# Altium PCB Calipso V2.0 REV3.0.PcbDoc (part 3 of 5)
Units mm, origin at the board's own origin, x right, y up, seen from the top; angles counter-clockwise.
Board outline 192.5 x 156.5 mm, 2 copper layers (Top Layer, Bottom Layer); 431 components, 334 nets, 1532 pads, 1628 vias.
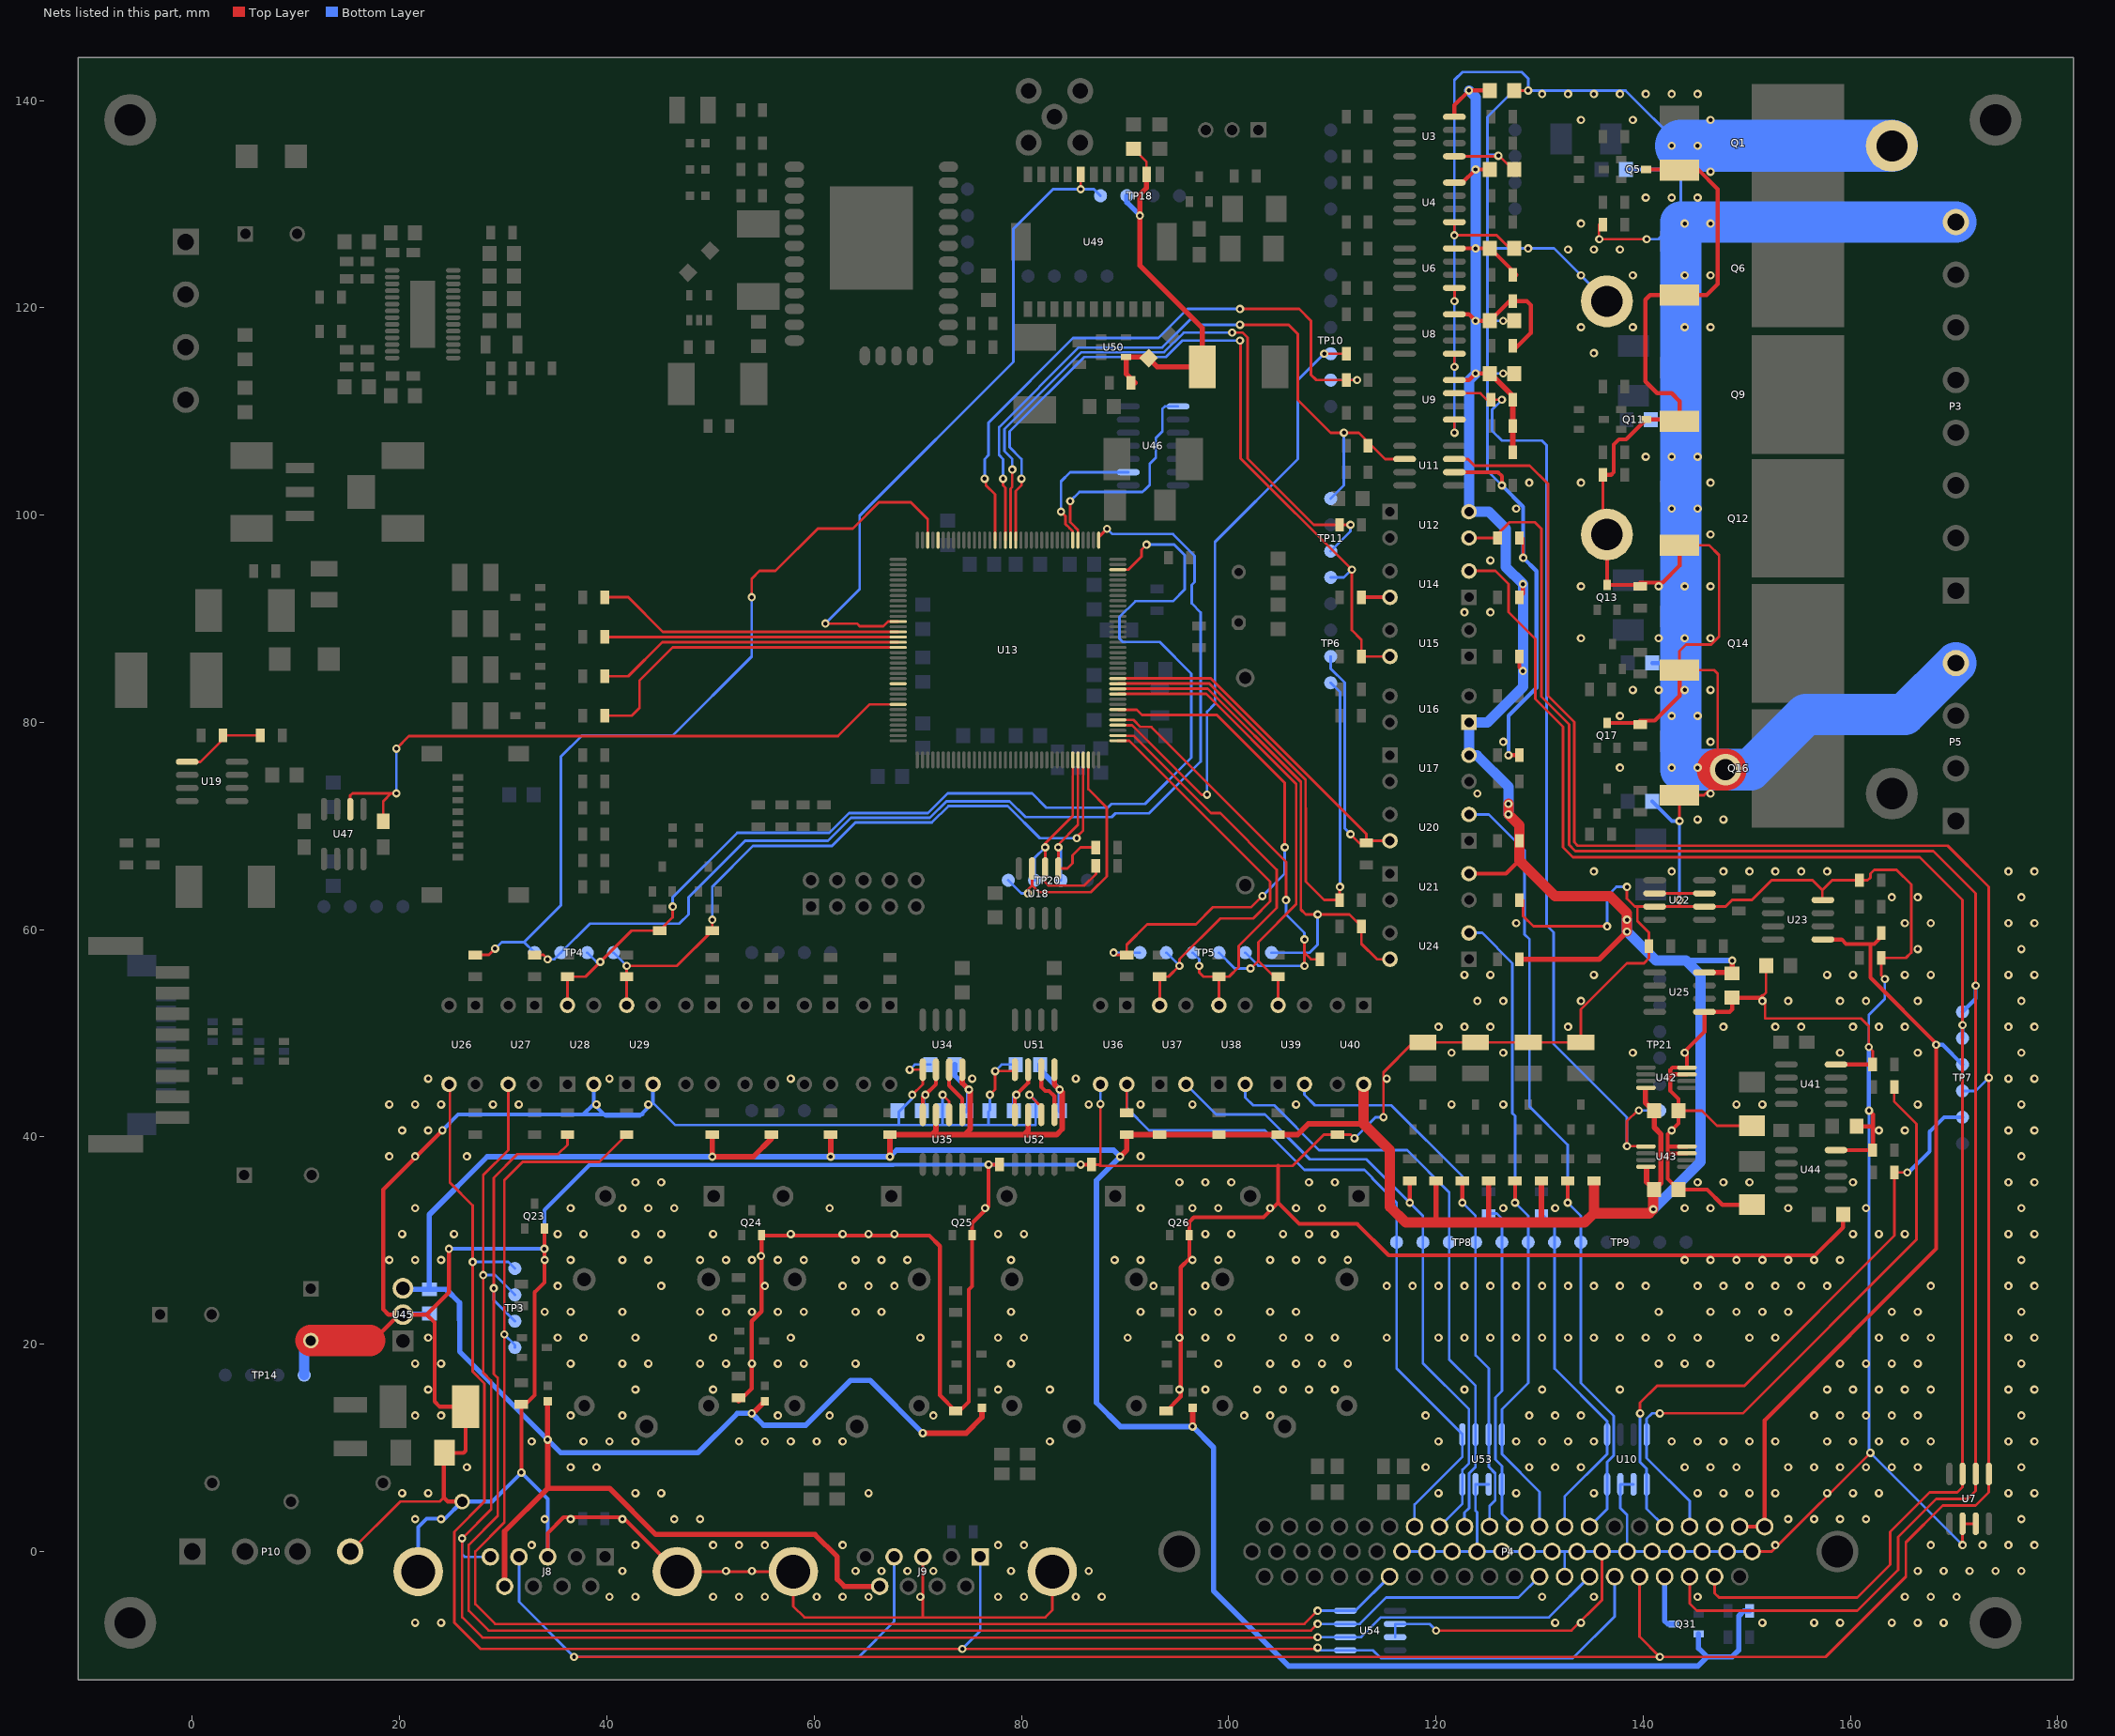
[diagram p3: the nets of this part, all layers, seen from the top]

## Via types
v1: diameter 0.8, hole 0.4, Top Layer to Bottom Layer, tented both sides, 1612 vias
v2: diameter 0.8, hole 0.4, Top Layer to Bottom Layer, 12 vias
v3: diameter 3, hole 2, Top Layer to Bottom Layer, 2 vias
v4: diameter 1.5, hole 1, Top Layer to Bottom Layer, 2 vias

## Nets (pads, with @x,y where several pads share a name; then routed paths per layer and width w, separated by ;. In a path a pad name is that pad's centre, name@x,y a point inside that pad or via, vN(x,y) a via of type N, cw(c..) or ccw(c..) an arc to the next point about the centre after c; other vN are vias at no path point) (continued)
DWIN_TX: J4.1 U13.101 U47.6 | length 63.4
  Top Layer w0.254: U47.6@15.24,71.615 15.24,72.952 15.44,73.152 19.177,73.152 ; J4.1@18.415,70.465 18.415,72.39 19.177,73.152 ; v1(19.685,73.152) 19.177,73.152 ; v1(19.685,77.47) 20.901,78.686 62.303,78.686 65.362,81.745 U13.101@68.14,81.745
  Bottom Layer w0.254: v1(19.685,73.152) v1(19.685,77.47)
EEPROM_NWC: TP20.1 U13.142 U18.7 | length 25.1
  Top Layer w0.254: v1(80.645,63.5) 80.645,63.881 81.026,64.262 ; U18.7@81.026,65.9 81.026,64.262 ; U13.142@86.459,76.383 86.459,73.552 88.234,71.777 88.234,65.139 86.722,63.627 81.661,63.627 81.026,64.262
  Bottom Layer w0.254: TP20.1@78.74,64.77 80.01,63.5 v1(80.645,63.5)
FAN_PWM1: U13.42 U46.9 | length 13
  Top Layer w0.254: v1(83.82,100.33) 84.255,99.895 84.255,99.126 84.646,98.735 84.657,98.735 84.959,98.433 U13.42@84.959,97.583
  Bottom Layer w0.254: v1(83.82,100.33) 83.82,103.251 84.709,104.14 U46.9@90.31,104.14
FAN_PWM2: U13.41 U46.1 | length 21.8
  Top Layer w0.254: v1(84.709,101.346) 84.709,99.314 84.834,99.189 84.845,99.189 85.459,98.575 U13.41@85.459,97.583
  Bottom Layer w0.254: v1(84.709,101.346) 85.598,102.235 91.694,102.235 91.875,102.416 91.882,102.416 92.383,102.917 92.383,104.942 92.975,105.533 92.975,107.431 93.599,108.056 93.599,110.236 93.853,110.49 U46.1@95.11,110.49
FEEDBACK: R55.1 R56.2 U19.5 | length 8.1
  Top Layer w0.254: U19.5@-0.895,76.2 0.79,76.2 3.33,78.74 R56.2@6.195,78.74
FLOW1: R79.1 R89.1 TP4.3 U13.34 U28.4 | length 113.1
  Top Layer w0.254: U28.4@36.195,52.705 R89.1@36.195,55.465 37.94,55.465 42.385,59.91 R79.1@45.085,59.91 46.355,61.18 v1(46.355,62.23) ; U13.34@89.309,94.733 90.32,94.733 91.586,95.999 91.586,96.666 v1(92.075,97.155)
  Bottom Layer w0.254: TP4.3@38.101,57.785 38.99,56.896 v1(39.371,56.896) ; v1(46.355,62.23) 46.355,63.119 52.578,69.342 61.468,69.342 63.37,71.244 70.983,71.244 72.891,73.152 81.026,73.152 82.404,71.774 88.343,71.774 88.705,72.136 91.934,72.136 96.393,76.595 96.393,84.709 93.345,87.757 89.789,87.757 89.471,88.075 89.471,90.17 90.995,91.694 94.615,91.694 95.758,92.837 95.758,96.139 94.742,97.155 v1(92.075,97.155)
FLOW2: R80.1 R90.1 TP4.4 U13.141 U29.4 | length 67.2
  Top Layer w0.254: U29.4@41.911,52.705 R90.1@41.911,55.465 ; R90.1@42.165,55.465 R90.1@41.911,55.465 ; v1(50.165,60.96) R80.1@50.165,59.91 46.77,56.515 v1(41.911,56.515) R90.1@41.911,55.465 ; v1(85.344,68.834) 85.344,68.961 85.959,69.576 U13.141@85.959,76.383
  Bottom Layer w0.254: TP4.4@40.641,57.785 v1(41.911,56.515) ; v1(50.165,60.96) 50.165,64.135 54.102,68.072 61.722,68.072 63.986,70.336 71.359,70.336 72.959,71.936 78.679,71.936 81.781,68.834 v1(85.344,68.834)
FLOW_SEN1: P4.54 R108.1 TP3.3 U54.3 | length 162.8
  Top Layer w0.254: R108.1@36.195,40.225 36.195,39.243 35.306,38.354 31.369,38.354 29.083,36.068 v1(29.083,25.4) 29.083,17.136 29.464,16.755 29.464,3.429 26.67,0.635 26.67,-5.701 28.589,-7.62 107.95,-7.62 v1(108.585,-6.985)
  Bottom Layer w0.254: v1(29.083,25.4) 29.083,24.257 TP3.3@31.115,22.225 ; v1(108.585,-6.985) U54.3@111.265,-6.985 112.649,-6.985 115.189,-4.445 127.971,-4.445 P4.54@130.003,-2.413
FLOW_SEN2: P4.48 R109.1 TP3.4 U54.4 | length 148.3
  Top Layer w0.254: R109.1@41.911,40.225 39.278,37.592 31.877,37.592 30.099,35.814 v1(30.099,20.955) 30.099,2.794 27.305,0 27.305,-5.08 29.21,-6.985 107.315,-6.985 v1(108.585,-5.715)
  Bottom Layer w0.254: v1(30.099,20.955) 31.115,19.939 TP3.4@31.115,19.685 ; v1(108.585,-5.715) U54.4@111.265,-5.715 112.223,-5.715 P4.48@115.525,-2.413
FOOTSW: J8.4 J9.4 P4.58 TP7.4 U7.1 U11.3 | length 352.9
  Top Layer w0.254: v1(36.83,-10.16) v1(141.605,-10.16) ; U11.3@121.78,105.41 123.09,105.41 123.725,104.775 129.06,104.775 130.81,103.025 130.81,82.586 133.361,80.035 133.361,68.453 ; 133.361,68.432 133.361,68.453 ; P4.58@139.655,-2.413 139.655,-8.21 v1(141.605,-10.16) ; 133.361,68.453 133.388,68.426 133.388,68.405 133.685,68.108 169.382,68.108 173.355,64.135 v1(173.355,45.72) U7.1@173.355,7.48 173.355,5.715 172.085,4.445 168.91,4.445 165.354,0.889 165.354,-2.413 157.607,-10.16 v1(141.605,-10.16)
  Bottom Layer w0.254: J8.4@31.52,-0.51 31.52,-4.85 v1(36.83,-10.16) 64.31,-10.16 67.715,-6.755 J9.4@67.715,-0.51 ; TP7.4@170.815,44.45 172.085,44.45 v1(173.355,45.72)
FOOTSW1: R32.2 TP11.1 U11.6 U13.55 | length 70.8
  Top Layer w0.254: v1(78.232,103.505) 78.232,102.874 78.459,102.647 U13.55@78.459,97.583 ; v1(101.092,118.364) 105.791,118.364 106.68,117.475 106.68,111.125 109.855,107.95 v1(111.125,107.95) 112.55,107.95 115.09,105.41 U11.6@116.98,105.41
  Bottom Layer w0.254: v1(78.232,103.505) 78.232,105.41 77.851,105.791 77.851,108.498 85.52,116.167 93.582,116.167 96.287,118.872 96.72,118.872 97.228,118.364 v1(101.092,118.364) ; TP11.1@109.855,101.6 111.125,102.87 v1(111.125,107.95)
FOOTSW2: U13.68
GOUT1: R95.1 U13.87 | length 29.4
  Top Layer w0.254: R95.1@40.16,92.075 42.065,92.075 45.395,88.745 U13.87@68.14,88.745
GOUT2: R96.1 U13.88 | length 28
  Top Layer w0.254: R96.1@40.16,88.265 40.18,88.245 U13.88@68.14,88.245
GOUT3: R114.1 U13.89 | length 29.3
  Top Layer w0.254: R114.1@40.16,84.455 42.065,84.455 45.355,87.745 U13.89@68.14,87.745
GOUT4: R115.1 U13.90 | length 32.3
  Top Layer w0.254: R115.1@40.16,80.645 42.418,80.645 43.142,81.369 43.142,84.032 46.355,87.245 U13.90@68.14,87.245
GPS3V3: C67.1 C68.2 GPS1.1 L10.1 TP18.2 U49.13 U50.4 | length 37.4
  Top Layer w0.254: C68.2@90.805,135.35 92.075,134.08 U49.13@92.075,132.865
  Top Layer w0.5: GPS1.1@90.96,112.776 90.1,113.636 U50.4@90.1,115.255 92.174,115.255 L10.1@92.284,115.144 93.129,114.3 C67.1@97.465,114.3 97.465,118.054 91.44,124.079 v1(91.44,128.905) 91.44,130.937 92.075,131.572 U49.13@92.075,132.865
  Bottom Layer w0.5: TP18.2@90.17,130.81 90.17,130.175 v1(91.44,128.905)
GPS_RST: TP18.1 U13.85 U49.18 | length 64.6
  Top Layer w0.254: v1(61.087,89.535) 64.135,89.535 64.389,89.281 66.687,89.281 67.139,89.733 U13.85@68.109,89.733 ; v1(85.725,131.445) U49.18@85.725,132.865
  Bottom Layer w0.254: v1(61.087,89.535) 61.087,89.549 64.389,92.851 64.389,99.949 79.232,114.792 79.232,127.619 83.058,131.445 v1(85.725,131.445) 86.995,131.445 TP18.1@87.63,130.81
I2C1_SCL: R139.2 TP20.2 U13.139 U18.6 | length 22.8
  Top Layer w0.254: U13.139@84.959,76.383 84.959,70.989 82.296,68.326 v1(82.296,67.945) U18.6@82.296,65.9 82.296,64.6 82.646,64.25 86.075,64.25 87.184,65.359 R139.2@87.184,66.155
  Bottom Layer w0.254: TP20.2@81.28,64.77 81.28,66.929 v1(82.296,67.945)
I2C1_SDA: R140.2 TP20.3 U13.140 U18.5 | length 19.5
  Top Layer w0.254: U13.140@85.459,76.383 85.459,70.104 83.566,68.211 v1(83.566,67.945) U18.5@83.566,65.9 84.423,65.9 84.932,66.409 84.932,67.171 85.694,67.933 R140.2@87.184,67.933
  Bottom Layer w0.254: v1(83.566,67.945) 83.82,67.691 TP20.3@83.82,64.77
I5V: C1.1 C7.1 C8.1 C11.1 C14.1 C29.2 C31.2 C33.1 C35.1 C37.1 C62.2 C73.2 C75.2 J8.9 J9.9 LED7.2 LED8.2 LED9.2 LED10.2 Q31.2 R20.2 R22.2 R24.2 R29.2 R31.2 R33.1 R44.2 R48.2 R73.2 R103.2 R110.2 R111.2 R112.2 R113.2 R116.2 R117.2 R118.2 R119.2 R123.2 R125.2 R127.2 R129.2 R156.2 U3.8 U4.8 U6.8 U8.8 U9.8 U12.4 U16.1 U17.4 U21.4 U25.8 U34.8 U35.3 U40.4 U42.8 U43.8 U45.3 U51.8 U52.3 | length 675.3
  Top Layer w0.384: U9.8@121.78,113.03 123.19,113.03 v1(123.825,113.665) C14.1@125.19,113.665 C14.1@125.25,113.665 ; U8.8@121.78,119.38 123.19,119.38 v1(123.825,118.745) C11.1@125.19,118.745 127.095,120.65 128.778,120.65 129.159,120.269 129.159,117.574 R24.2@127.79,116.205 ; U6.8@121.78,125.73 v1(123.825,125.73) 125.25,125.73 R20.2@127.79,123.19 ; U4.8@121.78,132.08 122.555,132.08 v1(123.825,133.35) C7.1@125.19,133.35 ; U3.8@121.78,138.43 121.78,139.56 v1(123.19,140.97) C1.1@125.19,140.97 ; U21.4@123.19,65.405 126.758,65.405 128.05,66.697 ; R48.2@128.05,86.36 128.05,85.31 v1(128.397,84.963) ; R44.2@128.05,92.075 128.397,92.422 v1(128.397,93.345) v1@128.425,93.317
  Top Layer w0.5: 34.29,6.096 40.259,6.096 44.715,1.64 60.082,1.64 62.23,-0.508 62.23,-2.667 62.913,-3.35 J9.9@66.33,-3.35 ; v1(34.29,10.795) LED7.2@34.29,14.49 ; U51.8@83.185,46.495 83.185,45.085 v1(83.693,44.577)
  Top Layer w0.524: J8.9@30.135,-3.35 30.135,1.941 34.29,6.096 v1(34.29,10.795) ; R110.2@50.166,39.849 v1(50.166,38.1) 54.13,38.1 55.88,39.85 R111.2@55.88,40.225 ; v1(53.975,13.335) 54.09,13.335 LED8.2@55.245,14.49 ; v1(61.596,38.1) R112.2@61.595,39.85 ; R113.2@67.31,40.225 71.341,40.225 ; v1(67.311,38.1) R113.2@67.311,39.849 ; v1(70.485,11.43) 74.676,11.43 76.2,12.954 LED9.2@76.2,13.855 ; U35.3@71.756,42.151 71.756,40.64 71.341,40.225 ; U34.8@74.296,46.495 74.296,45.211 v1(74.93,44.577) 75.058,44.449 75.058,40.768 74.515,40.225 ; U52.3@80.645,42.151 80.645,40.64 80.23,40.225 ; v1(83.693,44.577) 83.947,44.323 83.947,40.767 83.405,40.225 80.23,40.225 ; v1(89.535,38.1) 90.17,38.735 R116.2@90.17,39.85 ; R116.2@90.17,40.225 R117.2@93.345,40.225 R118.2@99.06,40.225 R119.2@104.775,40.225 106.646,40.225 107.696,41.275 113.03,41.275 ; v1(96.52,12.065) LED10.2@96.52,13.855 ; 120.015,31.75 R123.2@120.015,35.405 ; 125.095,31.75 R125.2@125.095,35.405 ; C14.1@125.25,113.665 127.415,111.5 R29.2@127.415,111.125 R31.2@127.415,108.585 R33.1@127.415,106.045 ; R103.2@128.425,57.15 135.763,57.15 v1(138.43,59.817) ; 130.175,31.75 R127.2@130.175,35.405 ; U42.8@140.208,44.577 140.208,43.307 140.97,42.545 C35.1@141.065,42.545 141.065,40.926 141.713,40.278 141.713,35.573 C37.1@141.065,34.925 140.335,35.655 U43.8@140.335,36.957 ; U25.8@145.91,55.88 C33.1@148.495,55.88 ; C33.1@148.59,55.785 v1(148.59,57.023) ; 71.341,40.225 74.515,40.225 ; 74.515,40.225 80.23,40.225
  Top Layer w1: U40.4@113.03,45.085 113.03,41.275 115.57,38.735 115.57,33.274 117.094,31.75 120.015,31.75 125.095,31.75 130.175,31.75 134.366,31.75 135.255,32.639 ; v1(127,72.136) v1(127,71.12) 128.05,70.07 R73.2@128.05,68.58 128.05,66.697 131.501,63.246 136.779,63.246 138.43,61.595 v1(138.43,60.96) v1(138.43,59.817) ; R129.2@135.255,35.405 135.255,32.639 ; C37.1@141.065,34.925 140.97,34.83 v1(140.97,33.02) 140.589,32.639 135.255,32.639
  Bottom Layer w0.5: 25.781,22.352 25.781,19.304 v1(34.29,10.795) 35.56,9.525 48.768,9.525 52.578,13.335 v1(53.975,13.335) ; Q31.2@145.345,-7.935 145.345,-9.328 146.177,-10.16 148.59,-10.16 149.225,-9.525 149.225,-6.223 149.733,-5.715 R156.2@150.275,-5.715
  Bottom Layer w0.524: U45.3@20.32,25.4 20.415,25.305 C62.2@22.86,25.305 ; 25.781,22.352 25.781,24.003 24.479,25.305 C62.2@22.86,25.305 ; v1(53.975,13.335) 55.118,12.192 59.182,12.192 63.5,16.51 65.405,16.51 v1(70.485,11.43) ; C29.2@73.565,46.99 73.565,45.942 v1(74.93,44.577) 74.93,42.767 C31.2@74.708,42.545 ; C73.2@81.82,46.99 81.82,46.45 v1(83.693,44.577) 83.725,44.545 C75.2@83.725,42.545 ; 144.145,57.023 v1(148.59,57.023) ; 146.177,-10.16 145.288,-11.049 105.791,-11.049 98.552,-3.81 98.552,10.033 v1(96.52,12.065) 89.535,12.065 87.249,14.351 87.249,35.814 v1(89.535,38.1) 88.9,38.735 67.946,38.735 v1(67.311,38.1) v1(61.596,38.1) 28.448,38.1 22.86,32.512 C62.2@22.86,25.305
  Bottom Layer w1: v1(123.19,140.97) 123.825,140.335 v1(123.825,133.35) v1(123.825,125.73) v1(123.825,118.745) v1(123.825,113.665) 123.19,113.03 U12.4@123.19,100.33 125.095,100.33 126.746,98.679 126.746,94.996 v1(128.397,93.345) v1(128.397,84.963) 128.397,83.439 124.968,80.01 U16.1@123.19,80.01 U17.4@123.19,76.835 123.952,76.835 127,73.787 v1(127,72.136) v1(127,71.12) ; v1(138.43,60.96) v1(138.43,59.817) 141.224,57.023 144.145,57.023 145.542,55.626 145.542,37.592 v1(140.97,33.02)
ICAN1_RX: C30.2 U34.6 U35.4 | length 6.6
  Top Layer w0.384: U35.4@70.486,42.151 70.486,43.815 v1(70.74,44.069) 71.756,45.085 U34.6@71.756,46.495
  Bottom Layer w0.384: C30.2@70.518,42.418 70.518,43.847 v1(70.74,44.069)
ICAN1_TX: U34.7 U35.1 | length 4.9
  Top Layer w0.384: U34.7@73.026,46.495 73.026,44.958 74.296,43.688 U35.1@74.296,42.151
ICAN2_RX: C74.2 U51.6 U52.4 | length 6.5
  Top Layer w0.381: U52.4@79.375,42.151 79.375,43.942 v1(79.502,44.069) 80.645,45.212 U51.6@80.645,46.495
  Bottom Layer w0.381: C74.2@79.28,42.545 79.28,43.847 v1(79.502,44.069)
ICAN2_TX: U51.7 U52.1 | length 5.1
  Top Layer w0.381: U51.7@81.915,46.495 81.915,44.831 82.296,44.45 82.677,44.45 83.185,43.942 U52.1@83.185,42.151
IGND: C1.2 C7.2 C8.2 C11.2 C14.2 C29.1 C30.1 C31.1 C32.1 C33.2 C35.2 C36.2 C37.2 C38.2 C40.2 C41.2 C42.1 C43.1 C53.1 C61.1 C62.1 C73.1 C74.1 C75.1 D13.2 D14.2 D20.2 J8.3 J8.10 J8.11 J9.3 J9.10 J9.11 LED3.1 LED4.1 LED5.1 LED6.1 P3.8 P4.28 P4.29 P4.30 P4.31 P4.32 P4.33 P4.34 P4.35 P4.36 P4.37 P4.38 P4.39 P4.40 P4.41 P4.42 P4.55 P5.4 P10.4 pad.H@136.5,98.13 pad.H@136.5,120.63 pad.H@164,135.63 Q1.3 Q5.3 Q6.3 Q9.3 Q11.3 Q12.3 Q13.3 Q14.3 Q16.3 Q17.3 Q23.2 Q24.2 Q25.2 Q26.2 R12.2 R18.1 R36.1 R39.1 R42.1 R50.2 R53.1 R59.2 R76.1 R81.1 R85.1 R101.2 R104.2 R120.1 R121.2 R135.1 R136.1 R137.1 R138.1 RU2.1 TP14.1 U3.5 U4.5 U6.5 U7.6 U7.7 U8.5 U9.5 U10.6 U10.7 U11.2 U22.2 U22.3 U22.6 U22.7 U23.4 U25.5 U28.2 U29.2 U34.5 U35.2 U36.3 U41.4 U42.3 U42.4 U43.3 U43.4 U44.4 U45.2 U51.5 U52.2 U53.6 U53.7 U54.6 U54.7 | length 1384
  Top Layer w0.254: P10.4@15.24,0 20.066,4.826 23.876,4.826 24.257,5.207 ; J8.10@46.785,-1.93 J9.11@57.99,-1.93 57.99,-5.285 59.055,-6.35 70.485,-6.35 ; v1(69.215,46.482) 69.228,46.495 U34.5@70.486,46.495 70.486,45.085 v1(69.47,44.069) ; J9.3@70.485,-0.51 70.485,-6.35 ; v1(72.391,44.069) 73.026,43.434 U35.2@73.026,42.151 ; v1(76.962,44.069) 77.47,44.577 v1(77.47,46.355) 79.235,46.355 U51.5@79.375,46.495 ; v1(80.772,44.069) 81.915,42.926 U52.2@81.915,42.151 ; J9.10@82.98,-1.93 82.98,-5.666 82.296,-6.35 70.485,-6.35 ; R12.2@86.775,37.338 87.503,37.338 87.63,37.211 ; v1(87.63,43.18) 87.63,37.211 ; v1(112.141,39.878) 111.794,40.225 R120.1@110.49,40.225 109.186,40.225 106.172,37.211 104.775,37.211 87.63,37.211 ; v1(114.935,41.91) 114.935,46.228 117.832,49.125 LED3.1@118.745,49.125 LED4.1@123.825,49.125 LED5.1@128.905,49.125 LED6.1@133.985,49.125 133.985,52.324 138.43,56.769 140.081,56.769 140.555,57.243 R85.1@140.555,58.42 140.555,59.724 139.446,60.833 139.446,62.23 ; v1(120.015,-7.62) 133.096,-7.62 136.032,-4.684 P4.36@136.032,0 ; U9.5@121.78,109.22 121.78,107.963 v1(121.793,107.95) ; U8.5@121.78,115.57 121.78,114.313 v1(121.793,114.3) ; U6.5@121.78,121.92 121.793,121.907 v1(121.793,120.65) ; U4.5@121.78,128.27 v1(121.78,127) 125.857,127 C8.2@127.127,125.73 ; U3.5@121.78,134.62 126.034,134.62 126.024,134.631 v1(126.024,134.675) 126.089,134.675 127.414,133.35 C7.2@127.54,133.35 ; C1.2@127.54,140.97 v1(128.905,140.97) ; R81.1@128.425,62.865 128.425,61.313 129.413,60.325 v1(136.525,60.325) ; v1(128.425,95.885) R39.1@128.425,97.79 ; R18.1@135.735,128.016 135.735,126.647 v1(135.763,126.619) v1(140.335,126.619) ; R36.1@136.11,103.886 136.11,98.586 136.11,98.205 pad.H@136.525,97.79 ; v1(138.43,64.135) 138.43,62.992 139.192,62.23 139.446,62.23 ; U22.6@141.11,63.5 143.51,63.5 ; C35.2@143.415,42.545 145.669,42.545 147.134,41.08 D13.2@150.495,41.08 ; v1(143.51,70.485) Q16.3@143.51,72.97 145.868,72.97 v3@147.193,74.295 ; Q12.3@143.51,97.1 146.359,97.1 147.32,96.139 147.32,88.265 146.558,87.503 144.145,87.503 143.51,86.868 Q14.3@143.51,85.035 146.867,85.035 147.193,84.709 v3@147.193,75.438 ; U22.3@145.91,63.5 143.51,63.5 ; P4.42@150.51,0 152.4,0 v1(161.925,9.525) ; C32.1@151.86,56.515 151.86,53.943 151.479,53.562 151.765,53.276 151.765,51.435 161.036,51.435 161.77,50.701 v1(161.77,48.669) 162.145,48.294 R104.2@162.145,46.99 ; U23.4@157.29,62.865 157.29,63.818 ; v1@163.35,55.273 v1(163.322,55.245) 162.975,55.592 R101.2@162.975,57.277 165.354,57.277 165.862,57.785 165.862,64.361 164.451,65.772 162.292,65.772 161.925,65.405 161.925,65.024 161.671,64.77 158.242,64.77 157.29,63.818 ; v1(170.815,0.635) U7.6@170.815,2.68 U7.7@172.085,2.68 ; 139.446,62.23 U22.7@141.11,62.23 143.51,62.23 ; 143.51,62.23 U22.2@145.91,62.23 147.955,62.23 148.59,62.865 150.495,62.865 152.4,64.77 156.338,64.77 157.29,63.818 ; 143.51,62.23 v1(143.51,62.865) 143.51,63.5
  Top Layer w0.384: 17.145,20.36 17.439,20.36 U45.2@19.939,22.86 ; v1(24.13,40.64) 18.415,34.925 18.415,23.368 18.923,22.86 U45.2@19.939,22.86 ; v1(24.765,29.21) 24.765,25.019 22.606,22.86 ; RU2.1@26.035,4.826 24.638,4.826 24.257,5.207 24.257,9.457 D20.2@24.325,9.525 26.162,9.525 26.36,9.723 C41.2@26.36,13.97 23.876,13.97 23.368,14.478 23.368,22.098 22.606,22.86 ; v1(31.75,7.62) 31.75,13.815 33.02,15.085 33.02,25.019 33.97,25.969 v1(33.97,29.21) Q23.2@33.97,31.185 ; J8.3@34.29,-0.51 34.29,1.778 35.814,3.302 41.553,3.302 J8.10@46.785,-1.93 ; R135.1@52.705,14.45 53.975,15.72 53.975,22.225 54.925,23.175 v1@54.925,28.575 ; v1(54.864,28.514) v1@54.925,28.575 ; R137.1@73.66,13.555 72.136,15.079 72.136,29.464 71.12,30.48 54.995,30.48 Q24.2@54.925,30.55 v1@54.925,28.575 ; R137.1@73.848,13.367 74.93,14.45 74.93,25.273 75.245,25.588 Q25.2@75.245,30.55 75.245,31.684 76.835,33.274 v1(76.835,37.338) R50.2@77.885,37.338 ; v1(85.725,37.338) R12.2@86.775,37.338 ; R138.1@93.98,13.555 95.377,14.952 95.377,27.432 96.2,28.255 Q26.2@96.2,30.55 96.2,31.811 96.647,32.258 103.378,32.258 104.775,33.655 ; 104.775,37.211 104.775,33.655 ; U11.2@121.78,104.14 125.984,104.14 126.365,103.759 v1(126.365,102.87) ; v1(127,76.835) R59.2@128.05,76.835 ; pad.H@135.735,98.961 pad.H@136.11,98.586 ; R36.1@136.11,103.886 136.906,103.886 137.16,104.14 137.16,106.807 137.668,107.315 138.36,107.315 Q11.3@140.265,109.22 143.328,109.22 Q9.3@143.51,109.038 143.51,110.998 142.748,111.76 141.351,111.76 140.208,112.903 140.208,120.777 140.661,121.23 Q6.3@143.51,121.23 146.122,121.23 147.193,122.301 147.193,131.445 145.343,133.295 Q1.3@143.51,133.295 143.455,133.35 Q5.3@140.265,133.35 ; Q17.3@136.525,79.94 139.475,79.94 139.7,80.165 141.125,80.165 143.51,82.55 Q14.3@143.51,85.035 ; pad.H@136.525,97.79 Q13.3@136.525,93.275 139.475,93.275 139.7,93.5 141.887,93.5 143.51,95.123 Q12.3@143.51,97.1 ; U43.3@144.215,38.425 142.423,38.425 142.367,38.481 ; U43.4@144.215,39.075 142.453,39.075 142.367,38.989 ; U42.3@144.215,46.045 142.692,46.045 142.621,45.974 ; D14.2@150.495,33.46 147.642,33.46 146.177,34.925 C37.2@143.415,34.925 142.367,35.973 142.367,38.481 ; 151.479,53.562 151.352,53.435 C33.2@148.59,53.435 148.59,52.324 148.336,52.07 U25.5@145.91,52.07 145.91,50.152 144.215,48.457 U42.4@144.215,46.695 142.834,46.695 142.621,46.482 142.621,45.974 ; U44.4@158.61,38.735 R121.2@162.145,38.735 ; U41.4@158.61,46.99 R104.2@162.145,46.99 ; C38.2@159.29,33.02 159.29,31.274 156.591,28.575 115.443,28.575 112.395,31.623 106.807,31.623 104.775,33.655 ; C36.2@160.592,41.021 162.179,41.021 ; v1(161.798,42.545) 162.179,42.164 162.179,41.021 ; R121.2@162.179,38.735 162.179,41.021 ; U45.2@19.939,22.86 U45.2@20.32,22.86 22.606,22.86 ; 142.367,38.481 142.367,38.989 ; 142.367,38.989 142.367,40.259 143.415,41.307 C35.2@143.415,42.545 143.415,43.656 142.621,44.45 142.621,45.974
  Top Layer w3: C40.2@11.43,20.36 17.145,20.36
  Top Layer w4: v3@147.193,75.438 v3(147.955,75.438)
  Bottom Layer w0.254: 44.451,43.307 46.61,41.148 68.2,41.148 ; v1(69.215,46.482) 69.723,46.99 C29.1@71.215,46.99 ; v1(69.47,44.069) 69.47,43.72 68.168,42.418 68.168,41.18 68.2,41.148 ; v1(72.391,44.069) 72.391,41.148 ; v1(76.962,44.069) 76.962,42.577 76.835,42.45 76.835,41.148 ; v1(77.47,46.355) 78.105,46.99 C73.1@79.47,46.99 ; v1(80.772,44.069) 81.375,43.466 C75.1@81.375,42.545 81.375,41.148 76.835,41.148 ; v1(87.63,43.18) U36.3@87.63,45.085 ; v1(112.141,39.878) 114.173,41.91 v1(114.935,41.91) ; U54.7@116.065,-8.255 U54.6@116.065,-6.985 119.38,-6.985 v1(120.015,-7.62) ; P4.28@116.728,0 P4.29@119.141,0 P4.30@121.554,0 P4.31@123.967,0 ; v1(121.793,107.95) 121.78,107.963 v1(121.78,127) 121.78,141.973 122.555,142.748 128.27,142.748 128.905,142.113 v1(128.905,140.97) ; U53.6@125.095,6.49 U53.7@123.825,6.49 123.825,3.937 123.967,3.795 P4.31@123.967,0 ; v1(126.024,134.675) 126.024,134.741 126.017,134.747 124.968,134.747 ; v1(126.365,102.87) 124.968,104.267 124.968,113.665 ; v1(126.492,113.665) 124.968,113.665 ; v1(126.492,118.745) 124.968,118.745 ; P4.55@132.416,-2.413 132.416,-0.045 132.461,0 ; pad.H@136.5,120.63 131.4,125.73 v1(128.905,125.73) 124.968,125.73 ; v1(136.525,60.325) 136.525,63.246 137.414,64.135 v1(138.43,64.135) ; U10.6@139.065,6.49 U10.7@137.795,6.49 137.795,4.191 138.445,3.541 P4.37@138.445,0 ; v1(140.335,126.619) 141.478,126.619 143.129,128.27 ; v1(143.51,62.865) v1(143.51,70.485) ; 143.637,128.778 143.637,133.35 143.637,135.636 138.303,140.97 v1(128.905,140.97) ; P4.42@150.51,0 P4.41@148.097,0 P4.40@145.684,0 P4.39@143.271,0 P4.38@140.858,0 P4.37@138.445,0 ; v1(161.77,48.669) 161.77,51.788 163.322,53.34 v1(163.322,55.245) ; v1(161.798,42.545) 161.798,9.652 v1(161.925,9.525) v1(170.815,0.635) ; 68.2,41.148 72.391,41.148 ; 72.391,41.148 76.835,41.148 ; P4.31@123.967,0 P4.32@126.38,0 P4.33@128.793,0 P4.34@131.206,0 132.461,0 ; 124.968,113.665 124.968,118.745 ; 124.968,118.745 124.968,125.73 ; 124.968,125.73 124.968,134.747 ; 124.968,134.747 124.968,138.43 127.508,140.97 v1(128.905,140.97) ; 132.461,0 P4.35@133.619,0 P4.36@136.032,0 P4.37@138.445,0
  Bottom Layer w0.384: U45.2@20.32,22.86 20.415,22.955 C62.1@22.86,22.955 ; J8.11@21.795,-1.93 21.795,2.364 22.606,3.175 24.384,3.175 RU2.1@26.035,4.826 28.956,4.826 v1(31.75,7.62) 34.29,5.08 J8.3@34.29,-0.51 ; v1(24.13,40.64) 25.654,42.164 43.432,42.164 ; v1(24.765,29.21) v1(33.97,29.21) 33.97,32.954 38.324,37.308 67.638,37.308 ; 37.718,42.164 v1@38.735,43.181 ; U28.2@38.735,45.085 v1@38.735,43.181 ; U29.2@44.451,45.085 44.451,43.307 43.181,42.037 39.879,42.037 v1@38.735,43.181 ; 61.924,37.308 61.954,37.338 ; 67.668,37.338 v1(76.835,37.338) v1(85.725,37.338) ; v1(126.365,102.87) 128.425,100.81 v1(128.425,95.885) 129.711,94.599 129.711,83.356 127,80.645 v1(127,76.835) ; C42.1@138.335,133.35 143.637,133.35 ; C43.1@140.748,109.22 143.51,109.22 143.637,109.093 ; C53.1@140.875,72.39 142.78,70.485 v1(143.51,70.485) ; C61.1@140.875,85.725 143.637,85.725 ; v1(161.77,48.669) 161.77,42.573 v1(161.798,42.545)
  Bottom Layer w1: TP14.1@10.795,17.018 10.795,19.725 C40.2@11.43,20.36
  Bottom Layer w4: P5.4@170.18,85.725 165.227,80.772 155.702,80.772 150.368,75.438 v3(147.955,75.438) 143.637,75.438 143.637,85.725 143.637,109.093 143.637,128.27 P3.8@170.18,128.27
  Bottom Layer w5: 143.637,135.636 143.643,135.63 pad.H@164,135.63
  other v1: 21.5,-6.87 24,-6.87 131.5,-6.87 134,-6.87 151.5,-6.87 156.5,-6.87 159,-6.87 164,-6.87 166.5,-6.87 169,-6.87 40.25,-4.37 42.75,-4.37 50.25,-4.37 52.75,-4.37 55.25,-4.37 60.25,-4.37 62.75,-4.37 65.25,-4.37 70.25,-4.37 77.75,-4.37 80.25,-4.37 85.25,-4.37 87.75,-4.37 130.25,-4.37 135.25,-4.37 145.25,-4.37 165.25,-4.37 167.75,-4.37 170.25,-4.37 41.5,-1.87 51.5,-1.87 54,-1.87 64,-1.87 66.5,-1.87 69,-1.87 71.5,-1.87 79,-1.87 86.5,-1.87 166.5,-1.87 169,-1.87 171.5,-1.87 174,-1.87 176.5,-1.87 32.75,0.63 42.75,0.63 50.25,0.63 52.75,0.63 55.25,0.63 62.75,0.63 77.75,0.63 80.25,0.63 152.75,0.63 167.75,0.63 172.75,0.63 175.25,0.63 177.75,0.63 21.5,3.13 24,3.13 34,3.13 36.5,3.13 41.5,3.13 46.5,3.13 49,3.13 154,3.13 156.5,3.13 159,3.13 161.5,3.13 176.5,3.13 20.25,5.63 22.75,5.63 42.75,5.63 45.25,5.63 65.25,5.63 120.25,5.63 127.75,5.63 135.25,5.63 145.25,5.63 147.75,5.63 150.25,5.63 152.75,5.63 157.75,5.63 160.25,5.63 162.75,5.63 175.25,5.63 177.75,5.63 26.5,8.13 36.5,8.13 39,8.13 119,8.13 129,8.13 131.5,8.13 134,8.13 144,8.13 146.5,8.13 149,8.13 154,8.13 156.5,8.13 159,8.13 161.5,8.13 164,8.13 166.5,8.13 176.5,8.13 32.75,10.63 37.75,10.63 40.25,10.63 42.75,10.63 52.75,10.63 55.25,10.63 57.75,10.63 60.25,10.63 62.75,10.63 82.75,10.63 120.25,10.63 127.75,10.63 130.25,10.63 132.75,10.63 135.25,10.63 142.75,10.63 145.25,10.63 147.75,10.63 150.25,10.63 152.75,10.63 157.75,10.63 160.25,10.63 162.75,10.63 165.25,10.63 167.75,10.63 175.25,10.63 177.75,10.63 21.5,13.13 24,13.13 36.5,13.13 41.5,13.13 56.5,13.13 61.5,13.13 71.5,13.13 101.5,13.13 104,13.13 119,13.13 129,13.13 131.5,13.13 134,13.13 156.5,13.13 159,13.13 161.5,13.13 164,13.13 166.5,13.13 176.5,13.13 22.75,15.63 42.75,15.63 50.25,15.63 77.75,15.63 82.75,15.63 95.25,15.63 97.75,15.63 102.75,15.63 105.25,15.63 107.75,15.63 110.25,15.63 122.75,15.63 130.25,15.63 137.75,15.63 157.75,15.63 160.25,15.63 162.75,15.63 165.25,15.63 167.75,15.63 175.25,15.63 177.75,15.63 21.5,18.13 24,18.13 36.5,18.13 41.5,18.13 44,18.13 49,18.13 51.5,18.13 54,18.13 56.5,18.13 59,18.13 64,18.13 79,18.13 99,18.13 104,18.13 106.5,18.13 109,18.13 111.5,18.13 141.5,18.13 144,18.13 146.5,18.13 159,18.13 161.5,18.13 164,18.13 166.5,18.13 176.5,18.13 22.75,20.63 35.25,20.63 37.75,20.63 42.75,20.63 50.25,20.63 57.75,20.63 70.25,20.63 77.75,20.63 80.25,20.63 90.25,20.63 95.25,20.63 97.75,20.63 100.25,20.63 105.25,20.63 107.75,20.63 110.25,20.63 115.25,20.63 120.25,20.63 122.75,20.63 125.25,20.63 127.75,20.63 130.25,20.63 132.75,20.63 135.25,20.63 137.75,20.63 140.25,20.63 142.75,20.63 145.25,20.63 150.25,20.63 152.75,20.63 162.75,20.63 165.25,20.63 167.75,20.63 175.25,20.63 177.75,20.63 34,23.13 36.5,23.13 41.5,23.13 49,23.13 51.5,23.13 54,23.13 56.5,23.13 59,23.13 64,23.13 66.5,23.13 79,23.13 91.5,23.13 96.5,23.13 99,23.13 104,23.13 106.5,23.13 141.5,23.13 146.5,23.13 149,23.13 151.5,23.13 154,23.13 164,23.13 166.5,23.13 176.5,23.13 35.25,25.63 45.25,25.63 55.25,25.63 62.75,25.63 65.25,25.63 67.75,25.63 92.75,25.63 97.75,25.63 115.25,25.63 117.75,25.63 120.25,25.63 122.75,25.63 125.25,25.63 127.75,25.63 130.25,25.63 132.75,25.63 135.25,25.63 137.75,25.63 140.25,25.63 145.25,25.63 147.75,25.63 150.25,25.63 152.75,25.63 155.25,25.63 157.75,25.63 167.75,25.63 175.25,25.63 177.75,25.63 19,28.13 21.5,28.13 24,28.13 34,28.13 36.5,28.13 41.5,28.13 44,28.13 49,28.13 51.5,28.13 54,28.13 56.5,28.13 59,28.13 64,28.13 66.5,28.13 69,28.13 79,28.13 89,28.13 91.5,28.13 96.5,28.13 99,28.13 104,28.13 106.5,28.13 109,28.13 111.5,28.13 144,28.13 146.5,28.13 149,28.13 151.5,28.13 154,28.13 156.5,28.13 159,28.13 176.5,28.13 20.25,30.63 25.25,30.63 35.25,30.63 37.75,30.63 42.75,30.63 45.25,30.63 50.25,30.63 57.75,30.63 62.75,30.63 65.25,30.63 67.75,30.63 77.75,30.63 80.25,30.63 97.75,30.63 100.25,30.63 105.25,30.63 107.75,30.63 110.25,30.63 160.25,30.63 162.75,30.63 165.25,30.63 175.25,30.63 177.75,30.63 21.5,33.13 36.5,33.13 41.5,33.13 44,33.13 46.5,33.13 61.5,33.13 76.5,33.13 91.5,33.13 96.5,33.13 99,33.13 104,33.13 106.5,33.13 109,33.13 126.5,33.13 131.5,33.13 144,33.13 146.5,33.13 154,33.13 161.5,33.13 176.5,33.13 42.75,35.63 45.25,35.63 95.25,35.63 97.75,35.63 100.25,35.63 107.75,35.63 110.25,35.63 145.25,35.63 147.75,35.63 150.25,35.63 160.25,35.63 175.25,35.63 177.75,35.63 19,38.13 21.5,38.13 26.5,38.13 91.5,38.13 176.5,38.13 20.25,40.63 22.75,40.63 142.75,40.63 162.75,40.63 165.25,40.63 175.25,40.63 177.75,40.63 19,43.13 21.5,43.13 24,43.13 29,43.13 31.5,43.13 39,43.13 44,43.13 86.5,43.13 91.5,43.13 96.5,43.13 106.5,43.13 121.5,43.13 126.5,43.13 149,43.13 151.5,43.13 166.5,43.13 176.5,43.13 22.75,45.63 40.25,45.63 57.75,45.63 75.25,45.63 85.25,45.63 115.25,45.63 175.25,45.63 177.75,45.63 121.5,48.13 126.5,48.13 139,48.13 144,48.13 159,48.13 166.5,48.13 176.5,48.13 120.25,50.63 122.75,50.63 125.25,50.63 132.75,50.63 147.75,50.63 152.75,50.63 155.25,50.63 160.25,50.63 162.75,50.63 165.25,50.63 175.25,50.63 177.75,50.63 124,53.13 126.5,53.13 134,53.13 151.5,53.13 154,53.13 159,53.13 161.5,53.13 166.5,53.13 176.5,53.13 122.75,55.63 125.25,55.63 135.25,55.63 157.75,55.63 160.25,55.63 165.25,55.63 167.75,55.63 175.25,55.63 177.75,55.63 166.5,58.13 176.5,58.13 127.75,60.63 165.25,60.63 167.75,60.63 175.25,60.63 177.75,60.63 164,63.13 166.5,63.13 176.5,63.13 135.25,65.63 142.75,65.63 147.75,65.63 150.25,65.63 152.75,65.63 155.25,65.63 157.75,65.63 175.25,65.63 177.75,65.63 145.25,70.63 147.75,70.63 124,73.13 146.5,73.13 137.75,75.63 142.75,75.63 145.25,75.63 126.5,78.13 146.5,78.13 137.75,80.63 142.75,80.63 145.25,80.63 139,83.13 141.5,83.13 144,83.13 146.5,83.13 134,88.13 141.5,88.13 144,88.13 146.5,88.13 122.75,90.63 125.25,90.63 134,93.13 141.5,93.13 144,93.13 146.5,93.13 125.25,95.63 146.5,98.13 127.75,100.63 142.75,100.63 145.25,100.63 129,103.13 134,103.13 146.5,103.13 140.25,105.63 142.75,105.63 145.25,105.63 135.25,115.63 134,118.13 139,118.13 144,118.13 146.5,118.13 134,123.13 139,123.13 144,123.13 146.5,123.13 132.75,125.63 135.25,125.63 137.75,125.63 134,128.13 144,128.13 146.5,128.13 140.25,130.63 142.75,130.63 145.25,130.63 146.5,133.13 142.75,135.63 145.25,135.63 134,138.13 139,138.13 146.5,138.13 130.25,140.63 132.75,140.63 135.25,140.63 137.75,140.63 140.25,140.63 142.75,140.63 145.25,140.63
IM_CSN: R26.1 TP10.5 U13.57 | length 60.1
  Top Layer w0.254: v1(76.454,103.505) 76.581,103.378 76.581,102.87 77.459,101.992 U13.57@77.459,97.583 ; v1(101.092,119.888) 106.807,119.888 107.95,118.745 107.95,113.538 108.458,113.03 R26.1@110.97,113.03 ; R26.1@111.345,113.03 v1(112.395,113.03)
  Bottom Layer w0.254: v1(76.454,103.505) 76.454,105.41 76.835,105.791 76.835,108.919 84.991,117.075 93.206,117.075 96.019,119.888 v1(101.092,119.888) ; TP10.5@109.855,113.03 v1(112.395,113.03)
IMON_NCS: R29.1 TP21.6 U9.7 U43.5 | length 92.8
  Top Layer w0.254: U9.7@121.78,111.76 124.305,111.76 124.94,111.125 v1(126.365,111.125) ; v1(139.579,42.551) 139.452,42.551 138.43,41.529 v1(138.43,39.116) 140.224,39.116 U43.5@140.265,39.075
  Bottom Layer w0.254: v1(126.365,111.125) 125.422,110.182 125.422,108.131 126.365,107.188 130.23,107.188 130.684,106.734 130.684,60.423 131.372,59.735 131.372,48.968 138.43,41.91 v1(138.43,39.116) ; v1(139.579,42.551) 141.599,42.551 TP21.6@141.605,42.545
LAS_EN: R38.1 TP11.3 U13.54 | length 65.8
  Top Layer w0.254: U13.54@78.959,97.583 78.959,102.558 79.121,102.72 v1(79.121,104.394) ; v1(100.33,117.602) 101.358,117.602 101.819,117.141 101.819,105.452 108.211,99.06 R38.1@110.335,99.06 ; R38.1@110.71,99.06 v1(111.76,99.06)
  Bottom Layer w0.254: v1(79.121,104.394) 79.121,105.41 78.359,106.172 78.359,108.287 85.785,115.713 93.77,115.713 95.659,117.602 v1(100.33,117.602) ; TP11.3@109.855,96.52 111.76,98.425 v1(111.76,99.06)
LAS_FLT: R47.1 TP11.4 U13.53 U15.4 | length 77.1
  Top Layer w0.254: U13.53@79.459,97.583 79.459,102.331 80.01,102.882 v1(80.01,103.505) ; v1(101.092,116.84) 101.161,116.771 101.161,105.468 v1(111.887,94.742) 111.887,88.9 112.81,87.977 R47.1@112.81,86.36 ; R47.1@113.185,86.36 U15.4@115.57,86.36
  Bottom Layer w0.254: v1(80.01,103.505) 80.01,105.41 78.867,106.553 78.867,108.077 86.049,115.259 93.958,115.259 95.539,116.84 v1(101.092,116.84) ; TP11.4@109.855,93.98 111.125,93.98 v1(111.887,94.742)
LAS_LOCK: R43.1 U14.4 | length 2.4
  Top Layer w0.384: R43.1@113.185,92.075 U14.4@115.57,92.075
LASER_ENABLE: P4.60 R39.2 TP7.1 U7.2 U12.3 | length 178.5
  Top Layer w0.254: U12.3@123.19,97.79 125.575,97.79 127.099,99.314 129.54,99.314 130.175,98.679 130.175,82.487 132.08,80.582 132.842,79.82 132.842,68.2 133.453,67.589 133.47,67.589 167.996,67.589 172.085,63.5 v1(172.085,54.61) U7.2@172.085,7.48 172.085,5.842 171.323,5.08 168.275,5.08 164.592,1.397 164.592,-1.778 160.655,-5.715 145.161,-5.715 144.481,-5.035 P4.60@144.481,-2.413
  Bottom Layer w0.384: TP7.1@170.815,52.07 172.085,53.34 v1(172.085,54.61)
LASER_IMON: P4.17 R130.1 TP7.5 U10.5 | length 60.1
  Top Layer w0.254: v1(139.7,13.335) 139.7,14.351 141.351,16.002 149.767,16.002 164.245,30.48 R130.1@164.245,36.576 v1(165.481,36.576)
  Bottom Layer w0.254: v1(139.7,13.335) 139.7,8.636 140.335,8.001 U10.5@140.335,6.49 140.335,4.143 P4.17@142.068,2.41
  Bottom Layer w0.384: v1(165.481,36.576) 165.608,36.576 167.64,38.608 167.64,40.513 169.037,41.91 TP7.5@170.815,41.91
LASER_IPROG: P4.20 P4.21 R84.2 TP7.3 U23.1 | length 78
  Top Layer w0.384: P4.20@149.307,2.41 P4.21@151.72,2.41 151.72,12.655 168.275,29.21 v1(168.275,48.895) 168.275,49.022 161.925,55.372 161.925,58.623 ; U23.1@157.29,59.055 U23.1@157.34,59.055 159.156,59.055 159.588,58.623 161.925,58.623 ; R84.2@162.975,59.69 162.975,59.315 162.283,58.623 161.925,58.623
  Bottom Layer w0.384: v1(168.275,48.895) 168.91,48.895 TP7.3@170.815,46.99
LASER_LOCK: P4.61 TP7.2 U7.3 U14.2 | length 162.5
  Top Layer w0.254: U14.2@123.19,94.615 125.73,94.615 127,93.345 127,90.65 129.591,88.059 129.591,82.245 132.258,79.578 132.258,67.958 133.211,67.005 133.228,67.005 166.675,67.005 170.815,62.865 v1(170.815,50.8) U7.3@170.815,7.48 170.815,6.223 170.307,5.715 167.64,5.715 163.83,1.905 163.83,-1.27 160.655,-4.445 147.32,-4.445 146.894,-4.019 P4.61@146.894,-2.413
  Bottom Layer w0.384: TP7.2@170.815,49.53 v1(170.815,50.8)
LASER_PULSE: P4.59 Q31.3 | length 5.3
  Bottom Layer w0.5: P4.59@142.068,-2.413 142.068,-6.686 142.367,-6.985 Q31.3@142.945,-6.985
LASER_VMON: P4.18 R105.1 U10.4 | length 60.9
  Top Layer w0.254: v1(141.605,13.335) 149.606,13.335 166.37,30.099 166.37,41.275 164.211,43.434 R105.1@164.211,44.831
  Bottom Layer w0.254: v1(141.605,13.335) 140.843,13.335 140.335,12.827 U10.4@140.335,11.29 140.335,9.017 144.481,4.871 P4.18@144.481,2.41
LD_PULSE: R25.1 TP10.4 U13.4 | length 60.3
  Top Layer w0.254: U13.4@89.34,79.745 89.363,79.722 90.698,79.722 97.395,73.025 v1(97.917,73.025) ; v1(109.22,115.57) R25.1@110.97,115.57
  Bottom Layer w0.254: v1(97.917,73.025) 97.917,81.026 98.679,81.788 98.679,97.409 106.68,105.41 106.68,113.03 v1(109.22,115.57)
LDD_VMON: P4.19
LED_GREEN: J8.5 P4.56 TP3.2 U27.3 U54.2 | length 174.1
  Top Layer w0.254: U27.3@30.481,45.085 30.481,38.736 28.067,36.322 v1(28.067,26.67) 28.067,17.254 28.829,16.492 28.829,4.064 v1(26.035,1.27) 26.035,-6.35 27.985,-8.3 108.54,-8.3 v1(108.585,-8.255)
  Bottom Layer w0.254: v1(26.035,1.27) 26.035,-0.254 26.291,-0.51 J8.5@28.75,-0.51 ; v1(28.067,26.67) 29.21,26.67 TP3.2@31.115,24.765 ; v1(108.585,-8.255) U54.2@111.265,-8.255 112.776,-8.255 114.681,-6.35 130.892,-6.35 P4.56@134.829,-2.413
LED_RED: J9.1 P4.57 TP3.1 U26.3 U54.1 | length 187.5
  Top Layer w0.254: U26.3@24.765,45.085 24.857,44.993 24.857,35.595 27.051,33.401 v1(27.051,27.94) 27.051,17.372 28.194,16.229 28.194,4.826 25.273,1.905 25.273,-6.858 27.813,-9.398 v1(74.295,-9.398) 108.458,-9.398 v1(108.585,-9.271)
  Bottom Layer w0.254: v1(27.051,27.94) 30.48,27.94 TP3.1@31.115,27.305 ; v1(74.295,-9.398) 76.025,-7.668 J9.1@76.025,-0.51 ; v1(108.585,-9.271) 108.839,-9.525 U54.1@111.265,-9.525 113.919,-9.525 114.681,-10.287 133.223,-10.287 137.242,-6.268 P4.57@137.242,-2.413
LEDB: U13.97
LEDG: R88.1 TP4.2 U13.37 | length 105.8
  Top Layer w0.254: R88.1@33.021,57.565 33.876,57.565 v1(34.291,57.15) ; U13.37@87.49,97.595 87.49,97.904 v1(88.265,98.679)
  Bottom Layer w0.254: v1(34.291,57.15) 34.926,57.15 TP4.2@35.561,57.785 38.355,60.579 46.99,60.579 47.879,61.468 47.879,63.119 53.34,68.58 61.348,68.58 63.558,70.79 71.171,70.79 72.771,72.39 78.867,72.39 80.391,70.866 88.719,70.866 89.081,71.228 92.31,71.228 97.301,76.219 97.301,90.608 96.428,91.481 96.428,93.265 96.701,93.538 96.701,96.085 94.615,98.171 88.773,98.171 v1(88.265,98.679)
LEDP_RED: R87.1 TP4.1 U13.70 | length 78.7
  Top Layer w0.254: R87.1@27.305,57.565 28.61,57.565 v1(29.211,58.166) ; v1(53.975,92.075) 53.975,93.853 54.737,94.615 56.261,94.615 60.357,98.711 63.73,98.711 66.254,101.235 69.326,101.235 70.959,99.602 U13.70@70.959,97.583
  Bottom Layer w0.254: v1(29.211,58.166) 29.846,58.801 32.005,58.801 ; TP4.1@33.021,57.785 32.005,58.801 ; v1(53.975,92.075) 53.975,86.36 46.355,78.74 37.592,78.74 35.56,76.708 35.56,62.356 32.005,58.801
LMP_DISCH: R75.1 TP6.4 U13.12 | length 56.7
  Top Layer w0.254: U13.12@89.34,83.745 98.133,83.745 107.426,74.452 107.426,71.771 107.442,71.755 107.442,64.627 109.204,62.865 R75.1@110.335,62.865 ; R75.1@110.71,62.865 110.71,64.101 v1(110.744,64.135)
  Bottom Layer w0.254: TP6.4@109.855,83.82 110.744,82.931 v1(110.744,64.135)
LMP_DISCHARGE: P4.13 R154.2 TP9.1 U10.1 | length 34.5
  Bottom Layer w0.254: R154.2@130.175,32.605 131.445,31.335 TP9.1@131.445,29.845 131.445,17.653 136.525,12.573 U10.1@136.525,11.29 136.525,9.398 132.416,5.289 P4.13@132.416,2.41
LMP_FAULT: R83.1 TP5.6 U13.11 U24.4 | length 52.9
  Top Layer w0.254: U13.11@89.34,83.245 97.991,83.245 106.972,74.264 106.972,61.938 107.442,61.468 v1(108.585,61.468) 111.667,61.468 R83.1@112.81,60.325 112.81,58.64 114.3,57.15 U24.4@115.57,57.15
  Bottom Layer w0.254: TP5.6@104.14,57.785 107.823,57.785 108.585,58.547 v1(108.585,61.468)
LMP_FAULT_SIG: P4.12 R126.1 TP8.6 U24.2 U53.4 | length 64.7
  Top Layer w0.381: v1(127.635,33.655) R126.1@127.635,35.405
  Bottom Layer w0.254: U24.2@123.19,59.69 124.46,59.69 127.381,56.769 127.381,42.291 127.635,42.037 v1(127.635,33.655) 128.905,32.385 TP8.6@128.905,29.845 128.905,16.256 126.365,13.716 U53.4@126.365,11.29 126.365,9.398 130.003,5.76 P4.12@130.003,2.41
LMP_HV_INH: R97.1 TP5.1 U13.7 | length 50.8
  Top Layer w0.254: v1(88.9,57.785) 89.12,57.565 R97.1@90.17,57.565 90.17,58.547 92.142,60.519 96.841,60.519 98.498,62.176 102.174,62.176 v1@103.247,63.25 ; U13.7@89.309,81.233 89.332,81.21 91.136,81.21 91.628,80.718 98.86,80.718 105.41,74.168 v1(105.41,67.945)
  Bottom Layer w0.254: v1(88.9,57.785) TP5.1@91.44,57.785 ; v1(103.251,63.246) 105.41,65.405 v1(105.41,67.945)
LMP_HV_INHIBIT: P4.7 R116.1 TP8.1 U36.4 U53.1 | length 70.3
  Top Layer w0.254: R116.1@90.17,42.7 U36.4@90.17,45.085
  Bottom Layer w0.254: U36.4@90.17,45.085 90.17,42.799 92.329,40.64 103.505,40.64 107.315,36.83 113.102,36.83 113.872,36.06 113.872,35.988 116.205,33.655 TP8.1@116.205,29.845 116.205,17.653 122.555,11.303 U53.1@122.555,11.29 122.555,9.144 117.938,4.527 P4.7@117.938,2.41
LMP_HVON: R72.1 TP6.3 U13.13 U20.4 | length 53.1
  Top Layer w0.254: U13.13@89.34,84.245 98.275,84.245 113.284,69.236 113.284,68.679 113.185,68.58 U20.4@115.57,68.58 ; v1(111.76,69.215) 112.615,68.36 R72.1@113.284,68.36
  Bottom Layer w0.254: TP6.3@109.855,86.36 109.855,85.18 111.198,83.837 111.198,69.777 v1(111.76,69.215)
LMP_HVON_SIG: P4.14 R128.1 TP9.2 U10.8 U20.2 | length 78.3
  Top Layer w0.381: v1(132.715,33.655) R128.1@132.715,35.405
  Bottom Layer w0.254: U20.2@123.19,71.12 125.095,71.12 128.551,67.664 128.551,59.539 129.032,59.058 129.032,42.926 132.715,39.243 v1(132.715,33.655) 133.985,32.385 TP9.2@133.985,29.845 133.985,16.256 137.16,13.081 137.16,9.271 136.525,8.636 U10.8@136.525,6.49 136.525,4.106 P4.14@134.829,2.41
LMP_OV: R100.1 TP5.4 U13.10 U39.4 | length 49.2
  Top Layer w0.254: U13.10@89.34,82.745 97.849,82.745 106.518,74.076 106.518,62.449 102.87,58.801 102.87,56.995 ; v1(102.108,56.261) 102.136,56.261 102.87,56.995 ; U39.4@104.775,52.705 104.775,55.09 102.87,56.995
  Bottom Layer w0.254: TP5.4@99.06,57.785 100.584,56.261 v1(102.108,56.261)
LMP_OVERTEMPERATURE_SIG: P4.8 R122.1 TP8.2 U37.2 U53.8 | length 62.9
  Top Layer w0.381: v1(117.475,33.655) R122.1@117.475,35.405
  Bottom Layer w0.254: U37.2@95.885,45.085 98.806,42.164 103.505,42.164 107.823,37.846 113.284,37.846 v1(117.475,33.655) 118.745,32.385 TP8.2@118.745,29.845 118.745,18.161 123.19,13.716 123.19,8.509 122.555,7.874 U53.8@122.555,6.49 122.555,4.614 P4.8@120.351,2.41
LMP_OVERVOLTAGE_SIG: P4.10 R124.1 TP8.4 U39.2 U53.3 | length 56.6
  Top Layer w0.381: v1(122.555,33.655) R124.1@122.555,35.405
  Bottom Layer w0.254: U39.2@107.315,45.085 107.315,44.069 108.331,43.053 115.697,43.053 122.555,36.195 v1(122.555,33.655) 123.825,32.385 TP8.4@123.825,29.845 123.825,18.923 125.095,17.653 U53.3@125.095,11.29 125.095,8.177 125.722,7.55 125.722,4.945 125.177,4.4 P4.10@125.177,2.41
LMP_OVT: R98.1 TP5.2 U13.1 U37.4 | length 40.8
  Top Layer w0.254: U13.1@89.309,78.233 90.417,78.233 92.996,75.654 104.013,64.637 104.013,62.738 102.362,61.087 99.187,61.087 95.25,57.15 v1(95.25,56.515) 94.2,55.465 R98.1@93.345,55.465 U37.4@93.345,52.705
  Bottom Layer w0.254: TP5.2@93.98,57.785 v1(95.25,56.515)
LMP_PULSE: R102.1 TP5.5 U13.5 | length 40.6
  Top Layer w0.254: U13.5@89.34,80.245 90.817,80.245 91.506,79.556 92.529,79.556 105.537,66.548 v1(105.537,62.865) ; v1(107.315,56.515) 107.315,57.785 ; v1(107.315,59.055) 107.315,57.785 ; R102.1@108.805,57.15 107.95,57.15 107.315,57.785
  Bottom Layer w0.254: TP5.5@101.6,57.785 101.612,57.785 102.882,56.515 v1(107.315,56.515) ; v1(105.537,62.865) 105.537,61.468 107.315,59.69 v1(107.315,59.055)
LMP_PULSE_OUT: P4.11 R155.2 TP8.5 U53.5 | length 32.2
  Bottom Layer w0.254: R155.2@125.095,32.605 125.891,32.605 126.365,32.131 TP8.5@126.365,29.845 126.365,15.494 125.73,14.859 125.73,8.89 126.365,8.255 U53.5@126.365,6.49 126.365,3.635 P4.11@127.59,2.41
LMP_RDY: R99.1 TP5.3 U13.2 U38.4 | length 40.9
  Top Layer w0.254: U13.2@89.309,78.733 89.332,78.71 90.835,78.71 98.298,71.247 99.187,71.247 104.648,65.786 104.648,62.103 100.965,58.42 100.965,56.388 100.042,55.465 R99.1@99.06,55.465 ; v1(97.155,56.515) 97.155,55.88 97.57,55.465 R99.1@99.06,55.465 ; U38.4@99.06,52.705 R99.1@99.06,55.465
  Bottom Layer w0.254: TP5.3@96.52,57.785 97.155,57.15 v1(97.155,56.515)
LMP_READY: P4.9 TP8.3 U38.2 U53.2 | length 58.5
  Bottom Layer w0.254: U38.2@101.6,45.085 101.6,43.815 102.362,43.053 104.394,43.053 108.712,38.735 117.221,38.735 121.285,34.671 TP8.3@121.285,29.845 121.285,18.542 123.825,16.002 U53.2@123.825,11.29 123.825,8.177 123.198,7.55 123.198,4.197 122.764,3.763 P4.9@122.764,2.41